# KiCad board Marble.kicad_pcb (continued)
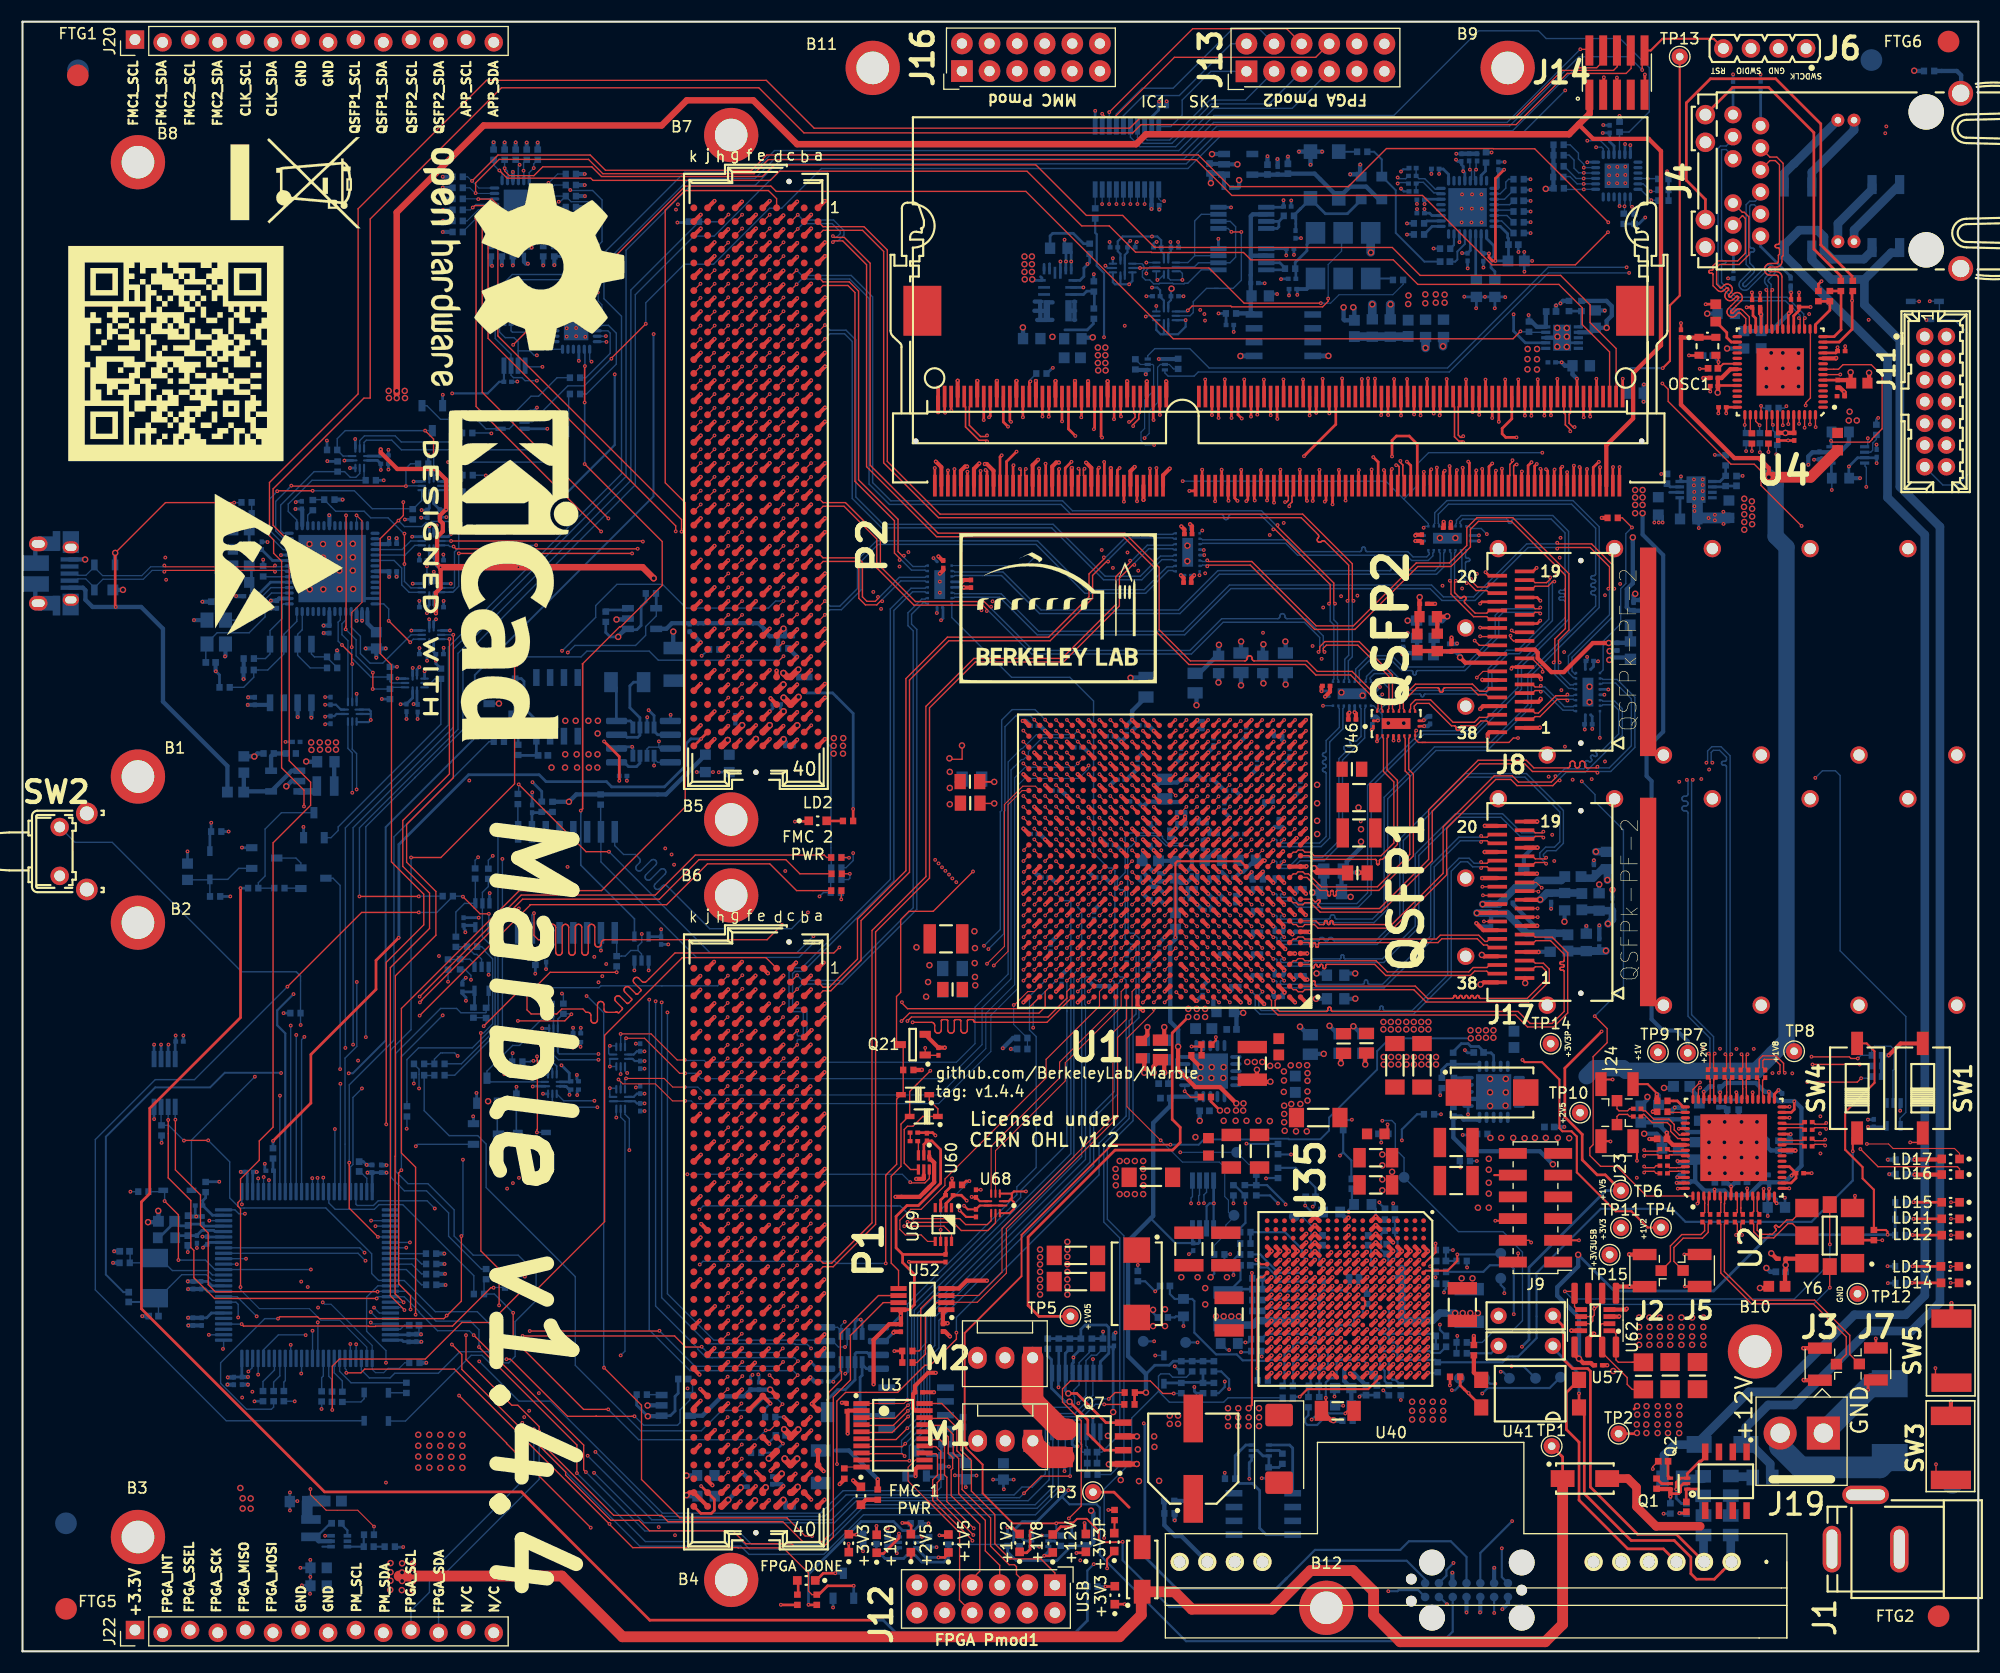
[diagram p0: board, top side]
## Routing (per net, layer and track width the routed paths; a pad name or vN(x,y) marks a point on that pad's centre or on a via; arc(x,y) is an arc through that point) (continued)
/FMC_TRST: length 19.2
  Bottom w0.127: R290.2 41.54,34.57 35,41.11 32.81,41.11 32.38,40.68 28.78,40.68 28.19,41.27 28.19,42.3 28.18,42.31
/FPGA/BOOT_MODE0: length 71.6
  Top w0.127: R286.2 74.01,73.07 73.79,73.29 61.92,73.29 58.24,69.61 45.89,69.61 v1(36.55,60.26)
  In4.Cu w0.127: v1(24.69,57.6) 27.35,60.26 v1(36.55,60.26)
  Bottom w0.127: v1(24.69,57.6) 24.69,42.33 24.68,42.33 24.68,42.31
/FPGA/BOOT_MODE1: length 71.2
  Top w0.127: 71.55,71.57 70.25,72.86 62.25,72.86 58.62,69.23 46.03,69.23 36.75,59.95 36.75,59.91 v1(36.57,59.73)
  Top w0.13: R287.2 71.55,71.57
  In4.Cu w0.127: v1(36.57,59.73) 27.68,59.73 26.18,58.23 26.18,57.72 v1(25.19,56.73)
  Bottom w0.127: 25.18,42.31 25.19,42.32 v1(25.19,56.73)
/FPGA/BOOT_MODE2: length 70.5
  Top w0.127: 72.74,70.02 71.24,70.02 68.78,72.48 63.04,72.48 59.28,68.72 46.71,68.72 46.71,68.67 v1(36.55,58.51)
  Top w0.13: R288.2 72.74,70.02
  In4.Cu w0.127: v1(25.94,56.56) 27.9,58.51 v1(36.55,58.51)
  Bottom w0.127: 25.68,42.31 25.68,56.3 v1(25.94,56.56)
/FPGA/CCLK: length 80
  Top w0.102: U1.C8 v1(111.12,61.73)
  In4.Cu w0.127: v1(45.68,68.38) 59.78,68.38 64.21,72.81 69.21,72.81 v1(70.2,71.82) ; v1(100.07,68.75) 100.5,68.32 100.5,67.76 101.06,67.2 105.23,67.2 106.16,66.27 110.11,66.27 110.56,65.82 110.56,65.47 110.84,65.19 111.24,65.19 111.63,64.81 111.63,62.24 v1(111.12,61.73)
  In9.Cu w0.127: v1(70.2,71.82) 73.81,71.82 75.84,73.85 76.81,73.85 77.59,73.07 77.59,72.89 81.84,68.65 91.56,68.65 91.85,68.36 99.69,68.36 v1(100.07,68.75)
  Bottom w0.127: v1(45.68,68.38) 45.62,68.31 U30.16
/FPGA/CFG_WP_B: length 62.3
  Top w0.127: v1(51.74,109.29) 58.87,102.15 58.87,98.12 55.06,94.31 54.95,94.31 51.53,90.88
  Top w0.15: v1(51.38,77.38) 51.56,77.56 51.56,90.86 51.53,90.88 ; v1(51.74,114.95) 51.74,118.28 v1(51.76,118.3)
  Bottom w0.15: U11.4 56.32,67.42 51.38,72.36 v1(51.38,77.38) ; U39.8 51.76,119.79 v1(51.76,118.3) ; v1(51.74,114.95) v1(51.74,109.29)
/FPGA/CLKMUX_RST: length 217.1
  Top w0.127: v1(144.7,58.46) 145.84,57.32 145.84,56.02 144.55,54.73 144.55,46.63 144.25,46.33 144.25,45.63 145.24,44.64 146.73,44.64 149.47,41.91 U2.1
  In7.Cu w0.127: v1(48.26,122.55) 48.52,122.55 50.57,124.59 50.57,125.59 51.51,126.53 51.89,126.53 55.4,130.05 59.9,130.05 61.68,131.83 74.38,131.83 77.06,134.51 106.86,134.51 109.69,137.34 114.35,137.34 114.67,137.02 116.4,137.02 116.57,137.19 131.12,137.19 131.56,136.75 142.39,136.75 143.05,137.41 144.29,137.41 145.65,136.05 145.65,134.88 146.29,134.24 146.29,131.02 150.58,126.72 150.58,119.41 151.48,118.51 151.48,89.59 143.51,81.63 v1(143.51,80.08)
  Bottom w0.102: v1(48.26,122.55) 48.26,122.55 U39.17
  Bottom w0.127: v1(144.7,58.46) 147.34,61.1 147.34,75.61 144.73,78.22 144.73,78.86 v1(143.51,80.08)
/FPGA/DDR3_A0: length 39
  Top w0.254: U1.AC8 v1(111.12,82.73) ; v1(115.49,113.44) 115.47,113.46 SK1.98
  In7.Cu w0.135: v1(111.12,82.73) 110.78,83.07 110.78,84.54 110.79,84.55 110.79,88.21 111.49,88.92 111.49,96.64 116.8,101.95 116.8,104.51 115.55,105.76 115.55,108.47 115.32,108.71 115.32,111.03 115.32,111.1 115.35,111.16 115.38,111.22 115.43,111.27 115.49,111.3 115.55,111.33 115.62,111.33 115.76,111.33 115.83,111.34 115.89,111.36 115.95,111.4 115.99,111.45 116.03,111.5 116.05,111.57 116.06,111.63 116.05,111.7 116.03,111.76 115.99,111.82 115.95,111.87 115.89,111.9 115.83,111.93 115.76,111.93 114.87,111.93 114.81,111.94 114.74,111.96 114.69,112 114.64,112.05 114.6,112.1 114.58,112.17 114.57,112.23 114.58,112.3 114.6,112.36 114.64,112.42 114.69,112.47 114.74,112.5 114.81,112.53 114.87,112.53 115.02,112.53 115.08,112.54 115.15,112.56 115.2,112.6 115.25,112.65 115.29,112.7 115.31,112.77 115.32,112.83 115.32,113.26 v1(115.49,113.44)
/FPGA/DDR3_A1: length 39
  Top w0.254: U1.AB10 v1(109.12,81.73) ; v1(115.19,105.73) 115.17,105.75 SK1.97
  In2.Cu w0.135: v1(109.12,81.73) 109.47,82.08 109.47,85.59 109.53,85.65 109.53,91 109.53,91.01 109.53,91.02 109.52,91.03 109.52,91.04 109.51,91.04 109.5,91.05 109.47,91.05 109.46,91.05 109.45,91.06 109.45,91.07 109.44,91.08 109.44,91.09 109.43,91.1 109.43,91.6 109.44,91.61 109.44,91.62 109.45,91.63 109.45,91.64 109.46,91.64 109.47,91.65 109.48,91.65 109.78,91.65 109.84,91.65 109.89,91.67 109.94,91.7 109.98,91.74 110.01,91.79 110.03,91.84 110.03,91.9 110.03,92 110.03,92.05 110.01,92.11 109.98,92.15 109.94,92.19 109.89,92.22 109.84,92.24 109.78,92.25 109.48,92.25 109.47,92.25 109.46,92.25 109.45,92.26 109.45,92.27 109.44,92.28 109.44,92.29 109.43,92.3 109.43,92.8 109.44,92.81 109.44,92.82 109.45,92.83 109.45,92.84 109.46,92.84 109.47,92.85 109.48,92.85 109.61,92.85 109.63,92.85 109.64,92.86 109.66,92.86 109.67,92.88 109.68,92.89 109.68,92.91 109.68,92.92 109.68,93.37 109.68,93.39 109.68,93.41 109.67,93.42 109.66,93.43 109.64,93.44 109.63,93.45 109.61,93.45 109.48,93.45 109.47,93.45 109.46,93.45 109.45,93.46 109.45,93.47 109.44,93.48 109.44,93.49 109.43,93.5 109.43,94 109.44,94.01 109.44,94.02 109.45,94.03 109.45,94.04 109.46,94.04 109.47,94.05 109.48,94.05 110.03,94.05 110.1,94.06 110.16,94.08 110.22,94.11 110.27,94.16 110.3,94.22 110.33,94.28 110.33,94.35 110.33,94.41 110.3,94.48 110.27,94.53 110.22,94.58 110.16,94.62 110.1,94.64 110.03,94.65 109.48,94.65 109.47,94.65 109.46,94.65 109.45,94.66 109.45,94.67 109.44,94.68 109.44,94.69 109.43,94.7 109.43,95.2 109.44,95.21 109.44,95.22 109.45,95.23 109.45,95.24 109.46,95.24 109.47,95.25 109.5,95.25 109.51,95.25 109.52,95.26 109.52,95.27 109.53,95.28 109.53,95.29 109.53,95.3 109.53,95.7 109.83,95.99 109.87,96.04 109.9,96.1 109.91,96.17 109.91,96.23 109.9,96.3 109.87,96.36 109.78,96.47 109.75,96.53 109.74,96.59 109.74,96.66 109.75,96.72 109.78,96.78 109.83,96.84 109.88,96.88 109.94,96.91 110,96.92 110.07,96.92 110.14,96.91 110.2,96.88 110.25,96.84 110.62,96.47 110.66,96.43 110.71,96.41 110.76,96.4 110.81,96.4 110.85,96.41 110.9,96.43 110.94,96.47 111.05,96.57 111.08,96.61 111.1,96.66 111.11,96.71 111.11,96.76 111.1,96.81 111.08,96.85 111.05,96.89 110.67,97.26 110.63,97.31 110.6,97.37 110.59,97.44 110.59,97.51 110.6,97.57 110.63,97.63 110.67,97.69 110.73,97.73 110.79,97.76 110.85,97.77 110.92,97.77 110.99,97.76 111.05,97.73 111.1,97.69 111.47,97.31 111.51,97.28 111.55,97.26 111.6,97.25 111.65,97.25 111.7,97.26 111.75,97.28 111.79,97.31 111.89,97.42 111.93,97.46 111.95,97.51 111.96,97.55 111.96,97.61 111.95,97.65 111.93,97.7 111.89,97.74 111.52,98.11 111.48,98.16 111.45,98.22 111.44,98.29 111.44,98.36 111.45,98.42 111.48,98.48 111.52,98.53 111.58,98.58 111.64,98.61 111.7,98.62 111.77,98.62 111.83,98.61 111.89,98.58 111.95,98.53 112.32,98.16 112.36,98.13 112.4,98.11 112.45,98.1 112.5,98.1 112.55,98.11 112.6,98.13 112.64,98.16 112.74,98.27 112.77,98.31 112.8,98.35 112.81,98.4 112.81,98.45 112.8,98.5 112.77,98.55 112.74,98.59 112.37,98.96 112.33,99.01 112.3,99.07 112.29,99.14 112.29,99.2 112.3,99.27 112.33,99.33 112.37,99.38 112.42,99.42 112.48,99.45 112.55,99.47 112.62,99.47 112.68,99.45 112.74,99.42 112.8,99.38 113.17,99.01 113.21,98.98 113.25,98.96 113.3,98.95 113.35,98.95 113.4,98.96 113.45,98.98 113.49,99.01 113.59,99.12 113.62,99.16 113.64,99.2 113.66,99.25 113.66,99.3 113.64,99.35 113.62,99.4 113.59,99.44 113.22,99.81 113.18,99.86 113.15,99.92 113.13,99.99 113.13,100.05 113.15,100.12 113.18,100.18 113.22,100.23 113.27,100.27 113.33,100.3 113.4,100.32 113.47,100.32 113.53,100.3 113.59,100.27 113.7,100.19 113.76,100.16 113.82,100.15 113.89,100.15 113.96,100.16 114.02,100.19 114.07,100.23 114.28,100.44 114.28,104.82 v1(115.19,105.73)
/FPGA/DDR3_A2: length 39.1
  Top w0.254: U1.AA9 v1(110.12,80.73) ; v1(114.88,113.78) 114.87,113.8 SK1.96
  In2.Cu w0.135: v1(110.12,80.73) 109.78,81.07 109.78,88.19 110.58,89 110.58,95.77 115.53,100.71 115.53,102.44 116.51,103.42 116.51,104.97 114.88,106.59 v1(114.88,113.78)
/FPGA/DDR3_A3: length 39
  Top w0.254: U1.AA10 v1(109.12,80.73) ; SK1.95 114.57,105.96 v1(114.54,105.93)
  In7.Cu w0.135: v1(114.54,105.93) 114.54,105.08 113.75,104.3 113.75,100.57 113.51,100.33 113.46,100.29 113.4,100.26 113.33,100.25 113.26,100.25 113.2,100.26 113.14,100.29 113.09,100.33 112.99,100.43 112.93,100.47 112.87,100.5 112.81,100.52 112.74,100.52 112.67,100.5 112.61,100.47 112.56,100.43 112.52,100.38 112.49,100.32 112.48,100.25 112.48,100.19 112.49,100.12 112.52,100.06 112.56,100.01 113.29,99.28 113.33,99.23 113.36,99.17 113.38,99.1 113.38,99.03 113.36,98.97 113.33,98.91 113.29,98.85 113.24,98.81 113.18,98.78 113.11,98.77 113.05,98.77 112.98,98.78 112.92,98.81 112.87,98.85 112.14,99.58 112.09,99.63 112.02,99.66 111.96,99.67 111.89,99.67 111.83,99.66 111.77,99.63 111.71,99.58 111.67,99.53 111.64,99.47 111.63,99.41 111.63,99.34 111.64,99.27 111.67,99.21 111.71,99.16 112.44,98.43 112.48,98.38 112.51,98.32 112.53,98.25 112.53,98.18 112.51,98.12 112.48,98.06 112.44,98.01 112.39,97.96 112.33,97.94 112.26,97.92 112.2,97.92 112.13,97.94 112.07,97.96 112.02,98.01 111.81,98.21 111.76,98.25 111.7,98.28 111.63,98.3 111.57,98.3 111.5,98.28 111.44,98.25 111.39,98.21 110.84,97.67 110.84,97.6 110.81,97.54 110.78,97.48 110.73,97.43 110.67,97.4 110.61,97.37 110.54,97.37 110.2,97.37 110.14,97.36 110.07,97.34 110.02,97.3 109.97,97.25 109.93,97.2 109.91,97.13 109.9,97.07 109.91,97 109.93,96.94 109.97,96.88 110.02,96.83 110.07,96.8 110.14,96.77 110.2,96.77 111.04,96.77 111.08,96.76 111.12,96.75 111.16,96.72 111.19,96.69 111.21,96.66 111.23,96.61 111.23,96.57 111.23,96.36 111.23,96.32 111.21,96.28 111.19,96.24 111.16,96.21 111.12,96.19 111.08,96.17 111.04,96.17 110.2,96.17 110.14,96.16 110.07,96.14 110.02,96.1 109.97,96.05 109.93,96 109.91,95.93 109.9,95.87 109.91,95.8 109.93,95.74 109.97,95.68 110.02,95.63 110.07,95.6 110.14,95.57 110.2,95.57 111.04,95.57 111.08,95.56 111.12,95.55 111.16,95.52 111.19,95.49 111.21,95.46 111.23,95.41 111.23,95.37 111.23,95.16 111.23,95.12 111.21,95.08 111.19,95.04 111.16,95.01 111.12,94.99 111.08,94.97 110.99,94.96 110.95,94.95 110.92,94.92 110.89,94.89 110.86,94.86 110.85,94.81 110.84,94.77 110.84,91 109.59,89.75 109.59,81.2 v1(109.12,80.73)
/FPGA/DDR3_A4: length 39
  Top w0.254: 108.61,83.23 v1(109.11,83.73) ; v1(113.65,113.83) 113.67,113.85 SK1.92
  In2.Cu w0.135: v1(109.11,83.73) 108.76,84.08 108.76,86.05 109.17,86.46 109.17,96.56 113.59,100.98 113.59,105.55 113.78,105.74 113.78,106.06 113.47,106.36 113.47,110.66 113.47,110.68 113.47,110.7 113.46,110.71 113.45,110.72 113.43,110.73 113.42,110.74 113.38,110.74 113.37,110.75 113.35,110.76 113.34,110.77 113.33,110.78 113.33,110.8 113.32,110.81 113.32,111.06 113.33,111.08 113.33,111.1 113.34,111.11 113.35,111.12 113.37,111.13 113.38,111.14 113.4,111.14 114.22,111.14 114.27,111.14 114.31,111.16 114.35,111.18 114.38,111.21 114.4,111.25 114.42,111.29 114.42,111.34 114.42,111.38 114.4,111.43 114.38,111.46 114.35,111.5 114.31,111.52 114.27,111.53 114.22,111.54 113.4,111.54 113.38,111.54 113.37,111.55 113.35,111.56 113.34,111.57 113.33,111.58 113.33,111.6 113.32,111.61 113.32,111.86 113.33,111.88 113.33,111.9 113.34,111.91 113.35,111.92 113.37,111.93 113.38,111.94 113.4,111.94 114.22,111.94 114.27,111.94 114.31,111.96 114.35,111.98 114.38,112.01 114.4,112.05 114.42,112.09 114.42,112.14 114.42,112.18 114.4,112.23 114.38,112.26 114.35,112.3 114.31,112.32 114.27,112.33 114.22,112.34 113.4,112.34 113.38,112.34 113.37,112.35 113.35,112.36 113.34,112.37 113.33,112.38 113.33,112.4 113.32,112.41 113.32,112.66 113.33,112.68 113.33,112.7 113.34,112.71 113.35,112.72 113.37,112.73 113.38,112.74 113.42,112.74 113.43,112.75 113.45,112.76 113.46,112.77 113.47,112.78 113.47,112.8 113.47,112.81 113.47,113.66 v1(113.65,113.83)
/FPGA/DDR3_A5: length 41.7
  Top w0.254: U1.AC12 v1(107.12,82.73) ; SK1.91 113.37,105.98 v1(113.41,105.93)
  In7.Cu w0.135: v1(113.41,105.93) 113.41,106.85 111.87,108.38 110.74,108.38 110.35,107.99 110.35,107.7 110.34,107.63 110.32,107.57 110.28,107.51 110.23,107.46 110.18,107.43 110.11,107.41 110.05,107.4 109.7,107.4 109.63,107.39 109.57,107.37 109.51,107.33 109.46,107.29 109.43,107.23 109.41,107.17 109.4,107.1 109.41,107.03 109.43,106.97 109.46,106.91 109.51,106.86 109.57,106.83 109.63,106.81 109.7,106.8 110.7,106.8 110.76,106.79 110.83,106.77 110.88,106.73 110.93,106.69 110.97,106.63 110.99,106.57 111,106.5 110.99,106.43 110.97,106.37 110.93,106.31 110.88,106.26 110.83,106.23 110.76,106.21 110.7,106.2 110.25,106.2 110.23,106.2 110.2,106.19 110.19,106.18 110.17,106.16 110.16,106.14 110.15,106.12 110.15,106.1 110.15,105.7 110.15,105.68 110.16,105.66 110.17,105.64 110.19,105.62 110.2,105.61 110.23,105.6 110.25,105.6 110.75,105.6 110.81,105.59 110.88,105.57 110.93,105.53 110.98,105.49 111.02,105.43 111.04,105.37 111.05,105.3 111.04,105.23 111.02,105.17 110.98,105.11 110.93,105.06 110.88,105.03 110.81,105.01 110.75,105 109.7,105 109.63,104.99 109.57,104.97 109.51,104.93 109.46,104.89 109.43,104.83 109.41,104.77 109.4,104.7 109.41,104.63 109.43,104.57 109.46,104.51 109.51,104.46 109.57,104.43 109.63,104.41 109.7,104.4 111,104.4 111.06,104.39 111.13,104.37 111.18,104.33 111.23,104.29 111.27,104.23 111.29,104.17 111.3,104.1 111.29,104.03 111.27,103.97 111.23,103.91 111.18,103.86 111.13,103.83 111.06,103.81 111,103.8 110.65,103.8 110.58,103.79 110.52,103.77 110.46,103.73 110.41,103.69 110.38,103.63 110.36,103.57 110.35,103.5 110.35,99.53 107.67,96.85 107.67,88.14 108.65,87.16 108.65,86.71 108.46,86.53 108.46,83.97 ; v1(107.12,82.73) 107.67,83.28 108.18,83.28 108.46,83.56 108.46,83.95
/FPGA/DDR3_A6: length 39
  Top w0.254: U1.AB11 v1(108.12,81.73) ; v1(113.07,113.66) 113.07,113.66 SK1.90
  In2.Cu w0.135: v1(113.07,113.66) 113.07,110.23 113.06,110.16 113.04,110.1 113,110.04 112.95,109.99 112.9,109.96 112.83,109.93 112.77,109.93 112.43,109.93 112.36,109.92 112.3,109.9 112.24,109.86 112.19,109.81 112.16,109.76 112.14,109.69 112.13,109.63 112.14,109.56 112.16,109.5 112.19,109.44 112.24,109.39 112.3,109.36 112.36,109.33 112.43,109.33 113.13,109.33 113.15,109.32 113.16,109.32 113.18,109.31 113.19,109.3 113.2,109.29 113.2,109.27 113.2,109.26 113.2,108.79 113.2,108.78 113.2,108.77 113.19,108.75 113.18,108.74 113.16,108.73 113.15,108.73 113.13,108.73 112.77,108.73 112.71,108.72 112.64,108.7 112.59,108.66 112.54,108.62 112.51,108.56 112.49,108.5 112.48,108.43 112.48,108.42 112.49,108.35 112.51,108.29 112.54,108.24 112.59,108.19 112.64,108.16 112.71,108.13 112.84,108.12 112.9,108.1 112.95,108.06 113,108.02 113.04,107.96 113.06,107.9 113.07,107.83 113.07,101.62 108.65,97.2 108.65,86.71 108.51,86.57 108.51,82.12 v1(108.12,81.73)
/FPGA/DDR3_A7: length 39
  Top w0.254: U1.AC11 v1(108.12,82.73) ; SK1.86 111.87,113.82 v1(112.21,113.48)
  In7.Cu w0.135: v1(112.21,113.48) 112.21,112.84 112.21,112.78 112.18,112.71 112.15,112.66 112.1,112.61 112.04,112.57 111.98,112.55 111.91,112.54 111.74,112.54 111.68,112.54 111.61,112.51 111.55,112.48 111.51,112.43 111.47,112.37 111.45,112.31 111.44,112.24 111.45,112.18 111.47,112.11 111.51,112.06 111.55,112.01 111.61,111.97 111.68,111.95 111.74,111.94 112.69,111.94 112.75,111.94 112.82,111.91 112.87,111.88 112.92,111.83 112.96,111.77 112.98,111.71 112.99,111.64 112.98,111.58 112.96,111.51 112.92,111.46 112.87,111.41 112.82,111.37 112.75,111.35 112.69,111.34 112.51,111.34 112.45,111.34 112.38,111.31 112.33,111.28 112.28,111.23 112.24,111.17 112.22,111.11 112.21,111.04 112.21,109.21 113.75,107.67 113.75,105.29 112.95,104.49 112.95,101.23 108.76,97.04 108.76,87.38 108.88,87.26 108.88,86.59 108.76,86.46 108.76,83.37 v1(108.12,82.73)
/FPGA/DDR3_A8: length 39
  Top w0.254: 105.6,85.23 v1(106.1,85.73) ; SK1.89 112.77,106 v1(112.63,105.87)
  In4.Cu w0.135: v1(112.63,105.87) 112.63,106.78 113.24,107.39 113.24,110.43 114.11,111.29 115.02,111.29 115.78,110.53 115.78,109.29 114.04,107.55 114.04,105.76 112.24,103.95 112.24,100.32 106.1,94.18 v1(106.1,85.73)
/FPGA/DDR3_A9: length 39.6
  Top w0.254: 105.6,84.23 106.1,84.73 ; SK1.85 111.57,106.15 v1(111.82,105.9)
  In4.Cu w0.135: v1(111.82,105.9) 111.82,107.14 112.71,108.03 112.71,111.04 112.11,111.64 111.33,111.64 110.23,110.54 110.23,109.79 111.34,108.69 111.34,105.44 111.29,105.39 111.29,99.95 105.76,94.42 105.76,85.13 v1(106.13,84.76)
/FPGA/DDR3_A10: length 39
  Top w0.254: 108.61,84.23 v1(109.11,84.73) ; v1(118.22,105.9) 118.17,105.95 SK1.107
  In4.Cu w0.135: v1(109.11,84.73) 108.86,84.73 108.78,84.82 108.78,92.47 110.03,93.73 110.04,93.73 112.04,95.72 112.04,97.54 117.33,102.83 117.33,108.48 117.2,108.6 117.2,110.97 117.62,111.39 118.09,111.39 118.4,111.09 118.4,109.3 118.22,109.12 v1(118.22,105.9)
/FPGA/DDR3_A11: length 39
  Top w0.254: U1.AD11 v1(108.12,83.73) ; v1(111.27,113.53) 111.27,113.54 SK1.84
  In2.Cu w0.135: v1(111.27,113.53) 111.45,113.35 111.45,112.3 111.44,112.23 111.42,112.17 111.38,112.11 111.34,112.06 111.28,112.03 111.22,112.01 111.15,112 110.81,112 110.74,111.99 110.68,111.97 110.62,111.93 110.57,111.89 110.54,111.83 110.51,111.77 110.51,111.7 110.51,111.63 110.54,111.57 110.57,111.51 110.62,111.46 110.68,111.43 110.74,111.41 110.81,111.4 112.09,111.4 112.16,111.39 112.22,111.37 112.28,111.33 112.33,111.29 112.36,111.23 112.39,111.17 112.39,111.1 112.39,111.03 112.36,110.97 112.33,110.91 112.28,110.86 112.22,110.83 112.16,110.81 112.09,110.8 110.81,110.8 110.74,110.79 110.68,110.77 110.62,110.73 110.57,110.69 110.54,110.63 110.51,110.57 110.51,110.5 110.51,110.43 110.54,110.37 110.57,110.31 110.62,110.26 110.68,110.23 110.74,110.21 110.81,110.2 111.15,110.2 111.22,110.19 111.28,110.17 111.34,110.13 111.38,110.09 111.42,110.03 111.44,109.97 111.45,109.9 111.45,101.04 108,97.59 108,87.73 107.58,87.31 107.58,86.86 107.77,86.67 107.77,84.08 v1(108.12,83.73)
/FPGA/DDR3_A12: length 39
  Top w0.254: U1.AA12 v1(107.12,80.73) ; v1(111,105.91) 110.97,105.94 SK1.83
  In2.Cu w0.135: v1(107.12,80.73) 107.49,81.1 107.49,86.48 107.34,86.64 107.34,87.41 107.49,87.56 107.49,90.24 107.49,90.26 107.48,90.28 107.47,90.3 107.46,90.31 107.44,90.32 107.42,90.33 107.38,90.34 107.36,90.34 107.34,90.35 107.32,90.37 107.31,90.39 107.3,90.41 107.3,90.43 107.3,90.84 107.3,90.86 107.31,90.88 107.32,90.9 107.34,90.91 107.36,90.92 107.38,90.93 107.4,90.93 107.62,90.93 107.64,90.94 107.67,90.95 107.69,90.96 107.71,90.98 107.73,91 107.73,91.03 107.74,91.06 107.74,91.41 107.73,91.44 107.73,91.46 107.71,91.49 107.69,91.51 107.67,91.52 107.64,91.53 107.62,91.53 107.4,91.53 107.38,91.54 107.36,91.54 107.34,91.55 107.32,91.57 107.31,91.59 107.3,91.61 107.3,91.63 107.3,92.04 107.3,92.06 107.31,92.08 107.32,92.1 107.34,92.11 107.36,92.12 107.38,92.13 107.4,92.13 107.62,92.13 107.64,92.14 107.67,92.15 107.69,92.16 107.71,92.18 107.73,92.2 107.73,92.23 107.74,92.26 107.74,92.61 107.73,92.64 107.73,92.66 107.71,92.69 107.69,92.71 107.67,92.72 107.64,92.73 107.62,92.73 107.4,92.73 107.38,92.74 107.36,92.74 107.34,92.75 107.32,92.77 107.31,92.79 107.3,92.81 107.3,92.83 107.3,93.24 107.3,93.26 107.31,93.28 107.32,93.3 107.34,93.31 107.36,93.32 107.38,93.33 107.4,93.33 107.62,93.33 107.64,93.34 107.67,93.35 107.69,93.36 107.71,93.38 107.73,93.4 107.73,93.43 107.74,93.46 107.74,93.81 107.73,93.84 107.73,93.86 107.71,93.89 107.69,93.91 107.67,93.92 107.64,93.93 107.62,93.93 107.4,93.93 107.38,93.94 107.36,93.94 107.34,93.95 107.32,93.97 107.31,93.99 107.3,94.01 107.3,94.03 107.3,94.44 107.3,94.46 107.31,94.48 107.32,94.5 107.34,94.51 107.36,94.52 107.38,94.53 107.4,94.53 107.62,94.53 107.64,94.54 107.67,94.55 107.69,94.56 107.71,94.58 107.73,94.6 107.73,94.63 107.74,94.66 107.74,95.01 107.73,95.04 107.73,95.06 107.71,95.09 107.69,95.11 107.67,95.12 107.64,95.13 107.62,95.13 107.4,95.13 107.38,95.14 107.36,95.14 107.34,95.15 107.32,95.17 107.31,95.19 107.3,95.21 107.3,95.23 107.3,95.64 107.3,95.66 107.31,95.68 107.32,95.7 107.34,95.71 107.36,95.72 107.38,95.73 107.4,95.73 107.62,95.73 107.64,95.74 107.67,95.75 107.69,95.76 107.71,95.78 107.73,95.8 107.73,95.83 107.74,95.86 107.74,96.21 107.73,96.24 107.73,96.26 107.71,96.29 107.69,96.31 107.67,96.32 107.64,96.33 107.62,96.33 107.4,96.33 107.38,96.34 107.36,96.34 107.34,96.35 107.32,96.37 107.31,96.39 107.3,96.41 107.3,96.43 107.3,96.84 107.3,96.86 107.31,96.88 107.32,96.9 107.34,96.91 107.36,96.92 107.38,96.93 107.4,96.93 107.62,96.93 107.64,96.94 107.67,96.95 107.69,96.96 107.71,96.98 107.73,97 107.73,97.03 107.74,97.06 107.74,97.41 107.73,97.44 107.73,97.46 107.71,97.49 107.69,97.51 107.67,97.52 107.64,97.53 107.62,97.53 107.49,97.53 107.49,97.54 107.4,97.54 107.38,97.54 107.36,97.55 107.34,97.56 107.32,97.57 107.31,97.59 107.3,97.61 107.3,97.63 107.3,98.04 107.3,98.06 107.31,98.08 107.32,98.1 107.34,98.12 107.36,98.13 107.38,98.13 107.42,98.14 107.44,98.15 107.46,98.16 107.47,98.17 107.48,98.19 107.49,98.21 107.49,98.23 107.49,98.24 107.49,99.54 108.01,100.07 108.01,101.91 108.67,102.57 108.72,102.61 108.78,102.64 108.85,102.65 108.92,102.65 108.98,102.64 109.04,102.61 109.09,102.57 109.34,102.32 109.39,102.28 109.46,102.25 109.52,102.23 109.59,102.23 109.65,102.25 109.71,102.28 109.77,102.32 109.81,102.37 109.84,102.43 109.85,102.5 109.85,102.57 109.84,102.63 109.81,102.69 109.77,102.74 108.95,103.56 108.91,103.61 108.88,103.67 108.87,103.74 108.87,103.8 108.88,103.87 108.91,103.93 108.95,103.98 109.01,104.02 109.07,104.05 109.13,104.07 109.2,104.07 109.26,104.05 109.33,104.02 109.38,103.98 110.19,103.17 110.24,103.13 110.3,103.1 110.37,103.08 110.44,103.08 110.5,103.1 110.56,103.13 110.62,103.17 110.66,103.22 110.69,103.28 110.7,103.35 110.7,103.41 110.69,103.48 110.66,103.54 110.62,103.59 109.8,104.41 109.76,104.46 109.73,104.52 109.72,104.58 109.72,104.65 109.73,104.72 109.76,104.78 109.8,104.83 109.85,104.87 109.92,104.9 109.98,104.92 110.05,104.92 110.11,104.9 110.17,104.87 110.23,104.83 110.37,104.69 110.42,104.65 110.48,104.62 110.55,104.6 110.61,104.6 110.68,104.62 110.74,104.65 110.79,104.69 111,104.89 v1(111,105.91)
/FPGA/DDR3_A13: length 38.9
  Top w0.254: 110.63,84.21 v1(111.13,84.71) ; SK1.119 v1(121.77,105.92)
  In7.Cu w0.135: v1(111.13,84.71) 111.13,85.17 111.67,85.7 111.67,87.06 112.99,88.38 113,96.68 121.02,104.69 121.02,107.86 121.69,108.54 121.69,110 122.4,110.71 122.84,110.71 123.44,110.11 123.44,107.6 v1(121.77,105.92)
/FPGA/DDR3_A14: length 39.1
  Top w0.254: U1.AB12 v1(107.12,81.73) ; SK1.80 110.07,113.54 v1(110.08,113.53)
  In2.Cu w0.135: v1(110.08,113.53) 109.91,113.35 109.91,112.52 109.9,112.5 109.9,112.48 109.89,112.46 109.87,112.45 109.86,112.44 109.84,112.43 109.8,112.43 109.79,112.42 109.77,112.41 109.76,112.4 109.75,112.39 109.74,112.37 109.74,112.35 109.74,112.07 109.74,112.05 109.75,112.03 109.76,112.01 109.77,112 109.79,111.99 109.8,111.98 109.82,111.98 109.91,111.98 109.91,111.97 110.06,111.97 110.1,111.96 110.13,111.95 110.16,111.93 110.19,111.91 110.21,111.88 110.22,111.84 110.22,111.81 110.22,111.67 110.22,111.64 110.21,111.6 110.19,111.57 110.16,111.55 110.13,111.53 110.1,111.52 110.06,111.52 109.82,111.52 109.8,111.51 109.79,111.51 109.77,111.5 109.76,111.48 109.75,111.47 109.74,111.45 109.74,111.43 109.74,111.15 109.74,111.13 109.75,111.11 109.76,111.1 109.77,111.08 109.79,111.07 109.8,111.07 109.82,111.07 110.09,111.07 110.13,111.06 110.17,111.05 110.2,111.03 110.23,111 110.25,110.96 110.27,110.92 110.27,110.88 110.27,110.8 110.27,110.76 110.25,110.72 110.23,110.68 110.2,110.66 110.17,110.63 110.13,110.62 110.09,110.62 109.82,110.62 109.8,110.61 109.79,110.61 109.77,110.6 109.76,110.58 109.75,110.57 109.74,110.55 109.74,110.53 109.74,110.25 109.74,110.23 109.75,110.21 109.76,110.2 109.77,110.18 109.79,110.17 109.8,110.17 109.82,110.17 110.25,110.17 110.3,110.16 110.34,110.14 110.39,110.12 110.42,110.08 110.45,110.04 110.47,109.99 110.47,109.94 110.47,109.89 110.45,109.84 110.42,109.8 110.39,109.76 110.34,109.74 110.3,109.72 110.25,109.72 110.13,109.72 110.08,109.71 110.03,109.69 109.99,109.67 109.95,109.63 109.93,109.59 109.91,109.54 109.91,109.49 109.91,108.71 110.11,108.51 110.11,105.53 106.74,102.17 106.74,100.12 107.03,99.83 107.03,86.15 106.74,85.86 106.74,82.11 v1(107.12,81.73)
/FPGA/DDR3_A15: length 39
  Top w0.254: U1.AD13 v1(106.12,83.73) ; v1(109.47,113.8) 109.47,113.8 SK1.78
  In2.Cu w0.135: v1(106.12,83.73) 106.48,84.09 106.48,98.41 106.21,98.68 106.21,103.86 109.42,107.08 109.42,107.96 109.41,108.02 109.39,108.07 109.36,108.12 109.32,108.16 109.28,108.19 109.22,108.21 109.11,108.22 109.06,108.24 109.01,108.27 108.97,108.31 108.94,108.36 108.92,108.41 108.91,108.47 108.91,108.56 108.92,108.62 108.94,108.67 108.97,108.72 109.01,108.76 109.06,108.79 109.11,108.81 109.17,108.81 109.5,108.81 109.52,108.82 109.53,108.82 109.55,108.83 109.56,108.84 109.57,108.86 109.58,108.88 109.58,108.89 109.58,109.34 109.58,109.35 109.57,109.37 109.56,109.38 109.55,109.4 109.53,109.41 109.52,109.41 109.5,109.41 108.81,109.41 108.74,109.42 108.68,109.44 108.62,109.48 108.58,109.53 108.54,109.58 108.52,109.65 108.51,109.71 108.52,109.78 108.54,109.84 108.58,109.9 108.62,109.95 108.68,109.98 108.74,110.01 108.81,110.01 109.12,110.01 109.19,110.02 109.25,110.04 109.31,110.08 109.35,110.13 109.39,110.18 109.41,110.25 109.42,110.31 109.41,110.38 109.39,110.44 109.35,110.5 109.31,110.55 109.25,110.58 109.19,110.61 109.12,110.61 108.81,110.61 108.74,110.62 108.68,110.64 108.62,110.68 108.58,110.73 108.54,110.78 108.52,110.85 108.51,110.91 108.52,110.98 108.54,111.04 108.58,111.1 108.62,111.15 108.68,111.18 108.74,111.21 108.81,111.21 109.12,111.21 109.19,111.22 109.25,111.24 109.31,111.28 109.35,111.33 109.39,111.38 109.41,111.45 109.42,111.51 109.41,111.58 109.39,111.64 109.35,111.7 109.31,111.75 109.25,111.78 109.19,111.81 109.12,111.81 108.81,111.81 108.74,111.82 108.68,111.84 108.62,111.88 108.58,111.93 108.54,111.98 108.52,112.05 108.51,112.11 108.52,112.18 108.54,112.24 108.58,112.3 108.62,112.35 108.68,112.38 108.74,112.41 108.81,112.41 109.12,112.41 109.19,112.42 109.25,112.44 109.31,112.48 109.35,112.53 109.39,112.58 109.41,112.65 109.42,112.71 109.42,113.5 109.47,113.55 v1(109.47,113.8)
